# EAGLE board Mk4 Final Panel 8up 2x4 (EAGLE 9.0.1), part 19 of 23
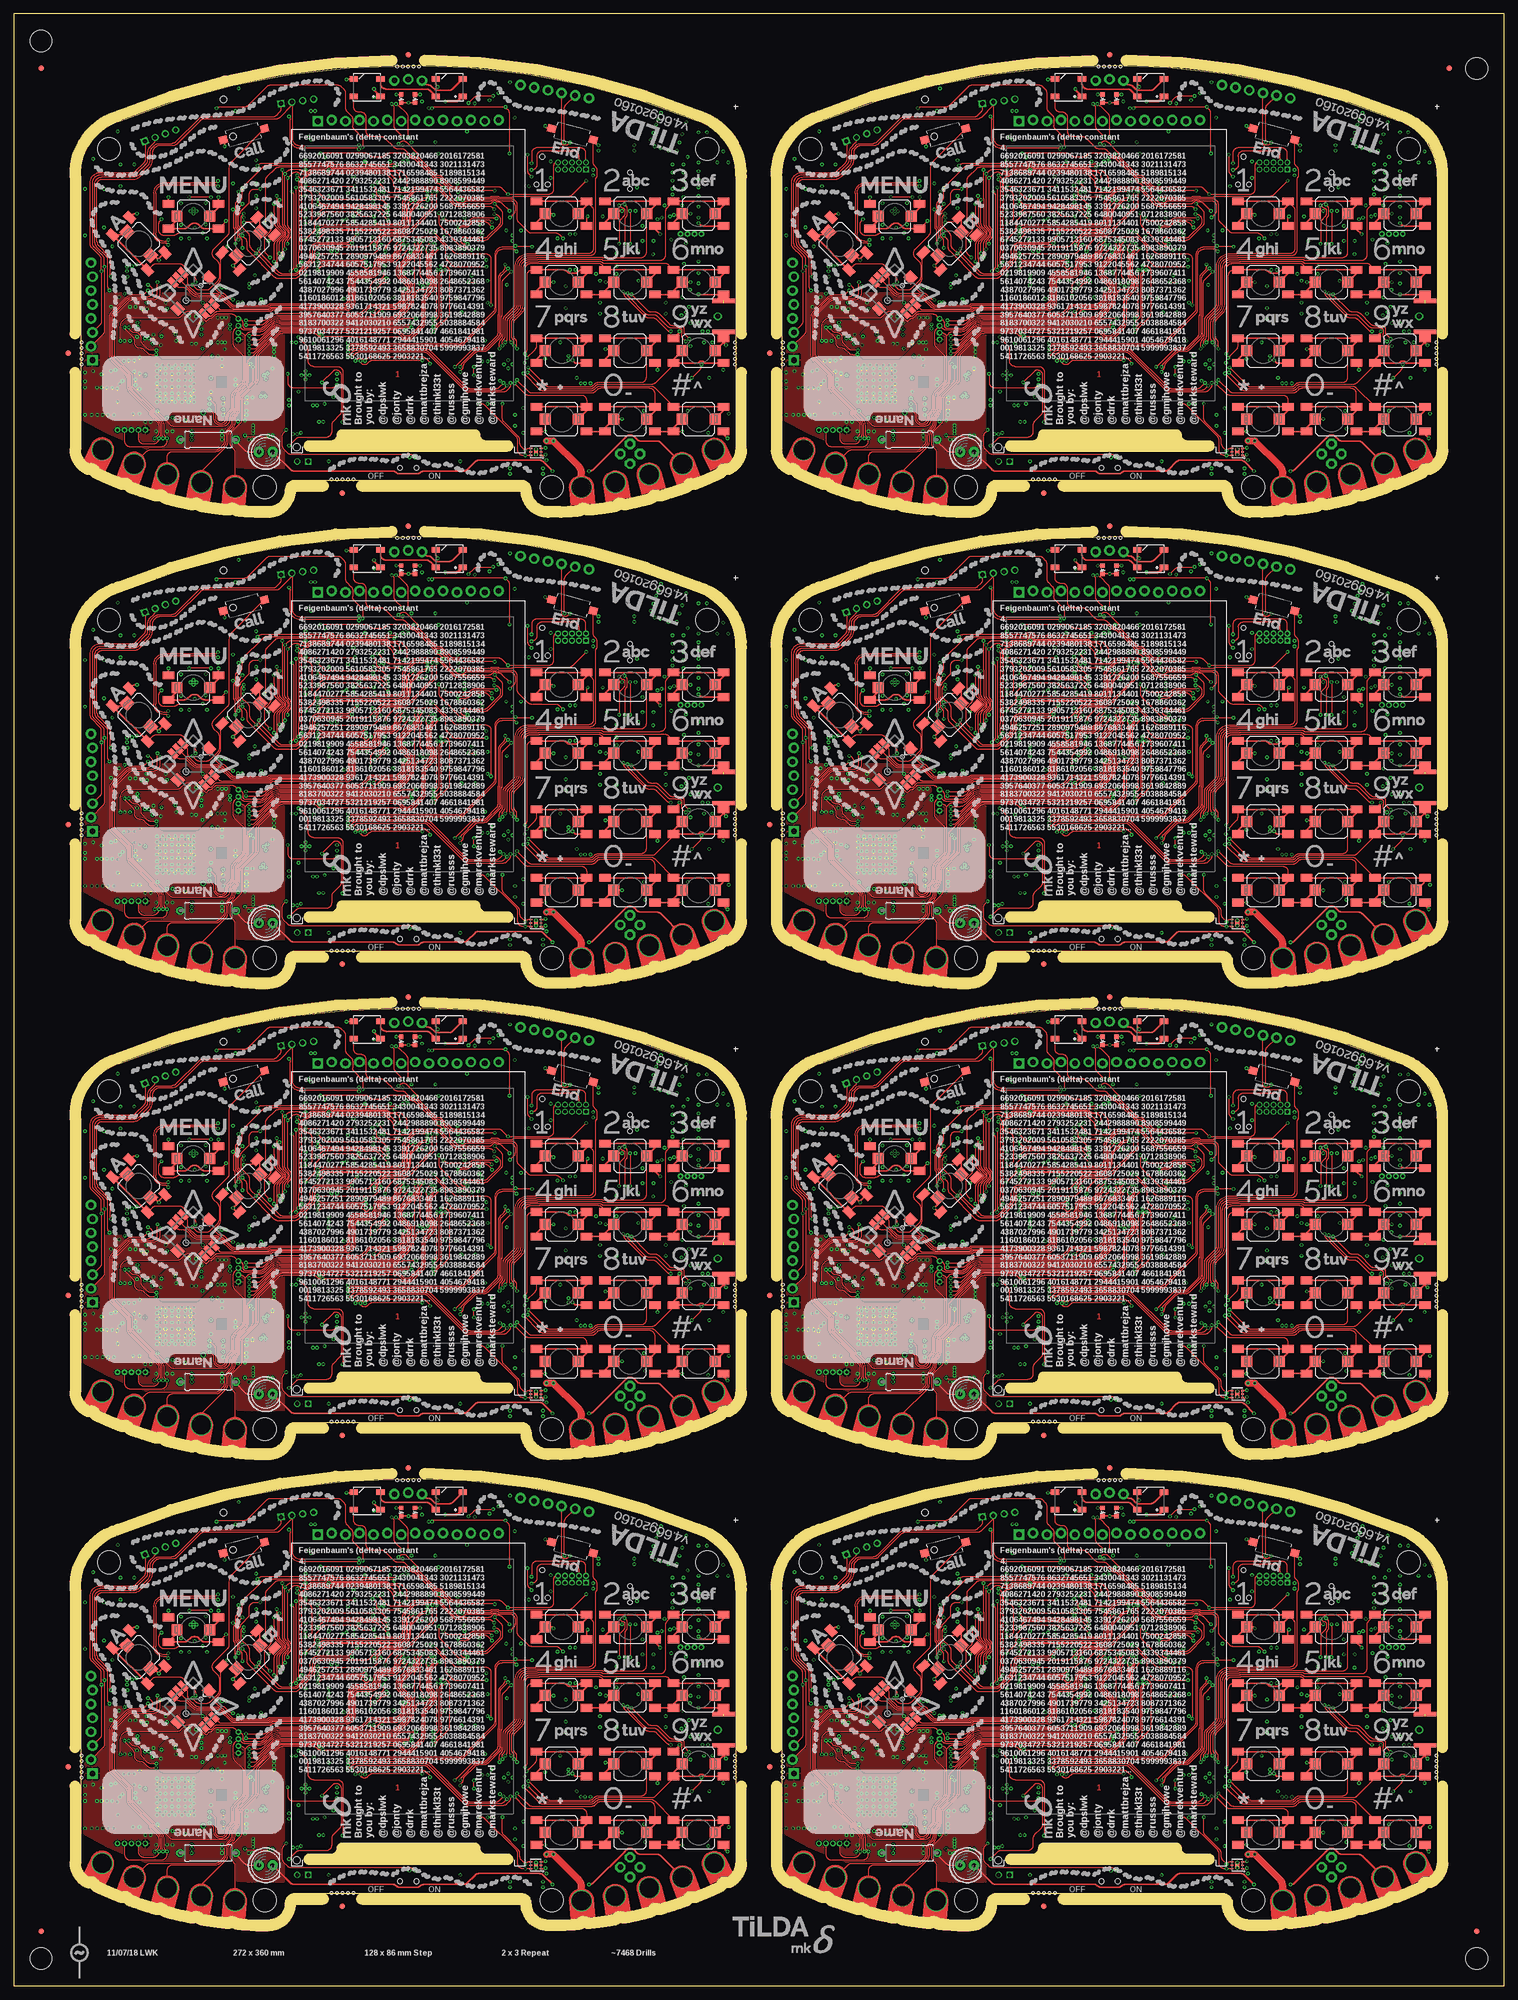
[diagram p0: board, top side]
## Tracks (layer width: path | path; a pad name or v marks a point on that pad's centre or on a via) (continued)
SIM_VDD4 (continued)
  Bottom 0.3: C482.2 arc-45 127.5,198.85 127.5,200.84 arc-45 127.79,201.54 128.4,202.15 arc-45 129.1,202.44 J44.C1 130.11,203.2 arc-45 130.4,203.9 130.46,203.96 arc45 130.75,204.66 130.75,205.25 arc90 129.75,206.25 126,206.25 arc-90 125,207.25 125,208.09 arc45 124.71,208.79 124.54,208.96 arc-45 124.25,209.66 124.25,210.75 arc90 123.25,211.75 122.91,211.75 arc-45 122.21,212.04 121.54,212.71 arc-45 121.25,213.41 121.25,214.5 120.85,214.9 IC79.5 120.58,216.59 arc45 120.28,217.29 119.37,218.21 arc45 118.66,218.5 115.91,218.5 arc-45 115.21,218.79 113.79,220.21 arc-45 113.5,220.91 113.5,222.94 arc45 113.28,223.47 112.47,224.28 arc-45 112.25,224.81 112.25,230.34 arc-45 112.54,231.04 113.31,231.81 arc45 113.6,232.51 IC75.18
SIM_VDD5
  Bottom 0.3: C590.2 arc-45 255.5,198.85 255.5,200.84 arc-45 255.79,201.54 256.4,202.15 arc-45 257.1,202.44 J54.C1 258.11,203.2 arc-45 258.4,203.9 258.46,203.96 arc45 258.75,204.66 258.75,205.25 arc90 257.75,206.25 254,206.25 arc-90 253,207.25 253,208.09 arc45 252.71,208.79 252.54,208.96 arc-45 252.25,209.66 252.25,210.75 arc90 251.25,211.75 250.91,211.75 arc-45 250.21,212.04 249.54,212.71 arc-45 249.25,213.41 249.25,214.5 248.85,214.9 IC97.5 248.57,216.59 arc45 248.28,217.29 247.37,218.21 arc45 246.66,218.5 243.91,218.5 arc-45 243.21,218.79 241.79,220.21 arc-45 241.5,220.91 241.5,222.94 arc45 241.28,223.47 240.47,224.28 arc-45 240.25,224.81 240.25,230.34 arc-45 240.54,231.04 241.31,231.81 arc45 241.6,232.51 IC93.18
SIM_VDD6
  Bottom 0.3: C698.2 arc-45 127.5,284.85 127.5,286.84 arc-45 127.79,287.54 128.4,288.15 arc-45 129.1,288.44 J64.C1 130.11,289.2 arc-45 130.4,289.9 130.46,289.96 arc45 130.75,290.66 130.75,291.25 arc90 129.75,292.25 126,292.25 arc-90 125,293.25 125,294.09 arc45 124.71,294.79 124.54,294.96 arc-45 124.25,295.66 124.25,296.75 arc90 123.25,297.75 122.91,297.75 arc-45 122.21,298.04 121.54,298.71 arc-45 121.25,299.41 121.25,300.5 120.85,300.9 IC115.5 120.58,302.59 arc45 120.28,303.29 119.37,304.21 arc45 118.66,304.5 115.91,304.5 arc-45 115.21,304.79 113.79,306.21 arc-45 113.5,306.91 113.5,308.94 arc45 113.28,309.47 112.47,310.28 arc-45 112.25,310.81 112.25,316.34 arc-45 112.54,317.04 113.31,317.81 arc45 113.6,318.51 IC111.18
SIM_VDD7
  Bottom 0.3: C806.2 arc-45 255.5,284.85 255.5,286.84 arc-45 255.79,287.54 256.4,288.15 arc-45 257.1,288.44 J74.C1 258.11,289.2 arc-45 258.4,289.9 258.46,289.96 arc45 258.75,290.66 258.75,291.25 arc90 257.75,292.25 254,292.25 arc-90 253,293.25 253,294.09 arc45 252.71,294.79 252.54,294.96 arc-45 252.25,295.66 252.25,296.75 arc90 251.25,297.75 250.91,297.75 arc-45 250.21,298.04 249.54,298.71 arc-45 249.25,299.41 249.25,300.5 248.85,300.9 IC133.5 248.57,302.59 arc45 248.28,303.29 247.37,304.21 arc45 246.66,304.5 243.91,304.5 arc-45 243.21,304.79 241.79,306.21 arc-45 241.5,306.91 241.5,308.94 arc45 241.28,309.47 240.47,310.28 arc-45 240.25,310.81 240.25,316.34 arc-45 240.54,317.04 241.31,317.81 arc45 241.6,318.51 IC129.18
SOP0  (via drill 0.3)
  Top 0.2: v26.05,40.55 25.11,40.55 arc-45 24.41,40.84 23.54,41.71 arc-45 23.25,42.41 23.25,42.75 arc90 22.25,43.75 22.16,43.75 arc-45 21.46,44.04 21.18,44.32 arc-45 v21,44.75
  Bottom 0.2: IC15.35 26.75,39.44 arc45 26.46,40.14 v26.05,40.55 | R64.1 22.25,46.65 21.44,45.84 arc45 21,44.78 v21,44.75
SOP1  (via drill 0.3)
  Top 0.2: v20.25,44.75 arc45 20.43,44.32 21.71,43.04 arc-45 22,42.34 22,42 arc90 23,41 23.06,41 arc-45 23.77,40.71 24.38,40.09 arc45 25.09,39.8 v26,39.8
  Bottom 0.2: IC15.34 26.25,39.34 arc45 26.1,39.7 v26,39.8 | R63.1 21.2,46.7 20.69,46.19 arc45 20.25,45.13 v20.25,44.75
SOP2
  Bottom 0.15: IC15.21 24.42,32.75 arc90 24.17,32.5 24.17,29.43 R62.1
SOP3
  Bottom 0.15: IC29.21 152.43,32.75 arc90 152.18,32.5 152.18,29.43 R140.1
SOP4  (via drill 0.3)
  Top 0.2: v148.25,44.75 arc45 148.43,44.32 149.71,43.04 arc-45 150,42.34 150,42 arc90 151,41 151.06,41 arc-45 151.76,40.71 152.38,40.09 arc45 153.09,39.8 v154,39.8
  Bottom 0.2: IC29.34 154.25,39.34 arc45 154.1,39.7 v154,39.8 | R141.1 149.2,46.7 148.69,46.19 arc45 148.25,45.13 v148.25,44.75
SOP5  (via drill 0.3)
  Top 0.2: v154.05,40.55 153.11,40.55 arc-45 152.41,40.84 151.54,41.71 arc-45 151.25,42.41 151.25,42.75 arc90 150.25,43.75 150.16,43.75 arc-45 149.46,44.04 149.18,44.32 arc-45 v149,44.75
  Bottom 0.2: IC29.35 154.75,39.44 arc45 154.46,40.14 v154.05,40.55 | R142.1 150.25,46.65 149.44,45.84 arc45 149,44.78 v149,44.75
SOP6
  Bottom 0.15: IC47.21 24.42,118.75 arc90 24.17,118.5 24.17,115.42 R218.1
SOP7  (via drill 0.3)
  Top 0.2: v20.25,130.75 arc45 20.43,130.32 21.71,129.04 arc-45 22,128.34 22,128 arc90 23,127 23.06,127 arc-45 23.77,126.71 24.38,126.09 arc45 25.09,125.8 v26,125.8
  Bottom 0.2: IC47.34 26.25,125.34 arc45 26.1,125.7 v26,125.8 | R219.1 21.2,132.7 20.69,132.19 arc45 20.25,131.13 v20.25,130.75
SOP8  (via drill 0.3)
  Top 0.2: v26.05,126.55 25.11,126.55 arc-45 24.41,126.84 23.54,127.71 arc-45 23.25,128.41 23.25,128.75 arc90 22.25,129.75 22.16,129.75 arc-45 21.46,130.04 21.18,130.32 arc-45 v21,130.75
  Bottom 0.2: IC47.35 26.75,125.44 arc45 26.46,126.14 v26.05,126.55 | R220.1 22.25,132.65 21.44,131.84 arc45 21,130.78 v21,130.75
SOP9
  Bottom 0.15: IC65.21 152.43,118.75 arc90 152.18,118.5 152.18,115.42 R296.1
SOP10  (via drill 0.3)
  Top 0.2: v148.25,130.75 arc45 148.43,130.32 149.71,129.04 arc-45 150,128.34 150,128 arc90 151,127 151.06,127 arc-45 151.76,126.71 152.38,126.09 arc45 153.09,125.8 v154,125.8
  Bottom 0.2: IC65.34 154.25,125.34 arc45 154.1,125.7 v154,125.8 | R297.1 149.2,132.7 148.69,132.19 arc45 148.25,131.13 v148.25,130.75
SOP11  (via drill 0.3)
  Top 0.2: v154.05,126.55 153.11,126.55 arc-45 152.41,126.84 151.54,127.71 arc-45 151.25,128.41 151.25,128.75 arc90 150.25,129.75 150.16,129.75 arc-45 149.46,130.04 149.18,130.32 arc-45 v149,130.75
  Bottom 0.2: IC65.35 154.75,125.44 arc45 154.46,126.14 v154.05,126.55 | R298.1 150.25,132.65 149.44,131.84 arc45 149,130.78 v149,130.75
SOP12
  Bottom 0.15: IC83.21 24.42,204.75 arc90 24.17,204.5 24.17,201.43 R374.1
SOP13  (via drill 0.3)
  Top 0.2: v20.25,216.75 arc45 20.43,216.32 21.71,215.04 arc-45 22,214.34 22,214 arc90 23,213 23.06,213 arc-45 23.77,212.71 24.38,212.09 arc45 25.09,211.8 v26,211.8
  Bottom 0.2: IC83.34 26.25,211.34 arc45 26.1,211.7 v26,211.8 | R375.1 21.2,218.7 20.69,218.19 arc45 20.25,217.13 v20.25,216.75
SOP14  (via drill 0.3)
  Top 0.2: v26.05,212.55 25.11,212.55 arc-45 24.41,212.84 23.54,213.71 arc-45 23.25,214.41 23.25,214.75 arc90 22.25,215.75 22.16,215.75 arc-45 21.46,216.04 21.18,216.32 arc-45 v21,216.75
  Bottom 0.2: IC83.35 26.75,211.44 arc45 26.46,212.14 v26.05,212.55 | R376.1 22.25,218.65 21.44,217.84 arc45 21,216.78 v21,216.75
SOP15
  Bottom 0.15: IC101.21 152.43,204.75 arc90 152.18,204.5 152.18,201.43 R452.1
SOP16  (via drill 0.3)
  Top 0.2: v148.25,216.75 arc45 148.43,216.32 149.71,215.04 arc-45 150,214.34 150,214 arc90 151,213 151.06,213 arc-45 151.76,212.71 152.38,212.09 arc45 153.09,211.8 v154,211.8
  Bottom 0.2: IC101.34 154.25,211.34 arc45 154.1,211.7 v154,211.8 | R453.1 149.2,218.7 148.69,218.19 arc45 148.25,217.13 v148.25,216.75
SOP17  (via drill 0.3)
  Top 0.2: v154.05,212.55 153.11,212.55 arc-45 152.41,212.84 151.54,213.71 arc-45 151.25,214.41 151.25,214.75 arc90 150.25,215.75 150.16,215.75 arc-45 149.46,216.04 149.18,216.32 arc-45 v149,216.75
  Bottom 0.2: IC101.35 154.75,211.44 arc45 154.46,212.14 v154.05,212.55 | R454.1 150.25,218.65 149.44,217.84 arc45 149,216.78 v149,216.75
SOP18
  Bottom 0.15: IC119.21 24.42,290.75 arc90 24.17,290.5 24.17,287.43 R530.1
SOP19  (via drill 0.3)
  Top 0.2: v20.25,302.75 arc45 20.43,302.32 21.71,301.04 arc-45 22,300.34 22,300 arc90 23,299 23.06,299 arc-45 23.77,298.71 24.38,298.09 arc45 25.09,297.8 v26,297.8
  Bottom 0.2: IC119.34 26.25,297.34 arc45 26.1,297.7 v26,297.8 | R531.1 21.2,304.7 20.69,304.19 arc45 20.25,303.13 v20.25,302.75
SOP20  (via drill 0.3)
  Top 0.2: v26.05,298.55 25.11,298.55 arc-45 24.41,298.84 23.54,299.71 arc-45 23.25,300.41 23.25,300.75 arc90 22.25,301.75 22.16,301.75 arc-45 21.46,302.04 21.18,302.32 arc-45 v21,302.75
  Bottom 0.2: IC119.35 26.75,297.44 arc45 26.46,298.14 v26.05,298.55 | R532.1 22.25,304.65 21.44,303.84 arc45 21,302.78 v21,302.75
SOP21
  Bottom 0.15: IC137.21 152.43,290.75 arc90 152.18,290.5 152.18,287.43 R608.1
SOP22  (via drill 0.3)
  Top 0.2: v148.25,302.75 arc45 148.43,302.32 149.71,301.04 arc-45 150,300.34 150,300 arc90 151,299 151.06,299 arc-45 151.76,298.71 152.38,298.09 arc45 153.09,297.8 v154,297.8
  Bottom 0.2: IC137.34 154.25,297.34 arc45 154.1,297.7 v154,297.8 | R609.1 149.2,304.7 148.69,304.19 arc45 148.25,303.13 v148.25,302.75
SOP23  (via drill 0.3)
  Top 0.2: v154.05,298.55 153.11,298.55 arc-45 152.41,298.84 151.54,299.71 arc-45 151.25,300.41 151.25,300.75 arc90 150.25,301.75 150.16,301.75 arc-45 149.46,302.04 149.18,302.32 arc-45 v149,302.75
  Bottom 0.2: IC137.35 154.75,297.44 arc45 154.46,298.14 v154.05,298.55 | R610.1 150.25,304.65 149.44,303.84 arc45 149,302.78 v149,302.75
SPK_AMP_N
  Bottom 0.2: IC13.8 31.83,63.17 arc-90 30.83,62.17 28.34,62.17 arc45 27.63,61.88 U5.-
SPK_AMP_N1
  Bottom 0.2: IC28.8 159.82,63.17 arc-90 158.82,62.17 156.34,62.17 arc45 155.63,61.88 U6.-
SPK_AMP_N2
  Bottom 0.2: IC46.8 31.83,149.18 arc-90 30.83,148.18 28.34,148.18 arc45 27.63,147.88 U9.-
SPK_AMP_N3
  Bottom 0.2: IC64.8 159.82,149.18 arc-90 158.82,148.18 156.34,148.18 arc45 155.63,147.88 U12.-
SPK_AMP_N4
  Bottom 0.2: IC82.8 31.83,235.18 arc-90 30.83,234.18 28.34,234.18 arc45 27.63,233.88 U15.-
SPK_AMP_N5
  Bottom 0.2: IC100.8 159.82,235.18 arc-90 158.82,234.18 156.34,234.18 arc45 155.63,233.88 U18.-
SPK_AMP_N6
  Bottom 0.2: IC118.8 31.83,321.18 arc-90 30.83,320.18 28.34,320.18 arc45 27.63,319.88 U21.-
SPK_AMP_N7
  Bottom 0.2: IC136.8 159.82,321.18 arc-90 158.82,320.18 156.34,320.18 arc45 155.63,319.88 U24.-
SPK_AMP_P  (via drill 0.3)
  Top 0.2: v34.5,62 30.29,62 arc45 29.79,61.79 arc-45 29.09,61.5 27.5,61.5 arc-90 26.5,62.5 26.5,63.59 arc-45 26.79,64.29 v27,64.5
  Bottom 0.2: IC13.5 33.77,63.14 arc45 34.07,62.43 v34.5,62 | U5.+ 25.25,66.66 arc45 25.54,65.96 v27,64.5
SPK_AMP_P1  (via drill 0.3)
  Top 0.2: v162.5,62 158.29,62 arc45 157.79,61.79 arc-45 157.09,61.5 155.5,61.5 arc-90 154.5,62.5 154.5,63.59 arc-45 154.79,64.29 v155,64.5
  Bottom 0.2: IC28.5 161.78,63.14 arc45 162.07,62.43 v162.5,62 | U6.+ 153.25,66.66 arc45 153.54,65.96 v155,64.5
SPK_AMP_P2  (via drill 0.3)
  Top 0.2: v34.5,148 30.29,148 arc45 29.79,147.79 arc-45 29.09,147.5 27.5,147.5 arc-90 26.5,148.5 26.5,149.59 arc-45 26.79,150.29 v27,150.5
  Bottom 0.2: IC46.5 33.77,149.14 arc45 34.07,148.43 v34.5,148 | U9.+ 25.25,152.66 arc45 25.54,151.96 v27,150.5
SPK_AMP_P3  (via drill 0.3)
  Top 0.2: v162.5,148 158.29,148 arc45 157.79,147.79 arc-45 157.09,147.5 155.5,147.5 arc-90 154.5,148.5 154.5,149.59 arc-45 154.79,150.29 v155,150.5
  Bottom 0.2: IC64.5 161.78,149.14 arc45 162.07,148.43 v162.5,148 | U12.+ 153.25,152.66 arc45 153.54,151.96 v155,150.5
SPK_AMP_P4  (via drill 0.3)
  Top 0.2: v34.5,234 30.29,234 arc45 29.79,233.79 arc-45 29.09,233.5 27.5,233.5 arc-90 26.5,234.5 26.5,235.59 arc-45 26.79,236.29 v27,236.5
  Bottom 0.2: IC82.5 33.77,235.14 arc45 34.07,234.43 v34.5,234 | U15.+ 25.25,238.66 arc45 25.54,237.96 v27,236.5
SPK_AMP_P5  (via drill 0.3)
  Top 0.2: v162.5,234 158.29,234 arc45 157.79,233.79 arc-45 157.09,233.5 155.5,233.5 arc-90 154.5,234.5 154.5,235.59 arc-45 154.79,236.29 v155,236.5
  Bottom 0.2: IC100.5 161.78,235.14 arc45 162.07,234.43 v162.5,234 | U18.+ 153.25,238.66 arc45 153.54,237.96 v155,236.5
SPK_AMP_P6  (via drill 0.3)
  Top 0.2: v34.5,320 30.29,320 arc45 29.79,319.79 arc-45 29.09,319.5 27.5,319.5 arc-90 26.5,320.5 26.5,321.59 arc-45 26.79,322.29 v27,322.5
  Bottom 0.2: IC118.5 33.77,321.14 arc45 34.07,320.43 v34.5,320 | U21.+ 25.25,324.66 arc45 25.54,323.96 v27,322.5
SPK_AMP_P7  (via drill 0.3)
  Top 0.2: v162.5,320 158.29,320 arc45 157.79,319.79 arc-45 157.09,319.5 155.5,319.5 arc-90 154.5,320.5 154.5,321.59 arc-45 154.79,322.29 v155,322.5
  Bottom 0.2: IC136.5 161.78,321.14 arc45 162.07,320.43 v162.5,320 | U24.+ 153.25,324.66 arc45 153.54,323.96 v155,322.5
SPK_N  (via drill 0.3)
  Top 0.2: v61,41.9 61.23,41.67 81.21,41.67 arc45 81.92,41.97 87.46,47.51 arc45 87.75,48.21 87.75,57.92 arc-90 89.17,59.34 91.11,59.34 arc45 91.46,59.49 v91.59,59.62 91.76,59.45 v94.6,59.45 | v37.3,70.5 37.27,70.53 arc45 36.56,70.83 27.5,70.83 arc90 25.92,69.25 25.92,61.95 arc90 27.45,60.42 27.72,60.42 arc45 28.07,60.57 v28.2,60.7
  Bottom 0.2: IC5.12 104.6,59 C68.2 | C65.1 C68.2 | C67.1 C64.2 | C64.2 C68.2 | C64.2 101.17,58.67 96.46,58.67 arc-45 96.39,58.7 96.3,58.8 arc45 96.23,58.83 95.22,58.83 arc-90 v94.6,59.45 | v61,41.9 60.77,41.67 60.29,41.67 arc-45 59.58,41.97 57.27,44.28 arc45 56.8,44.48 56.69,44.48 arc-45 55.98,44.77 52.66,48.08 arc45 51.96,48.38 45.39,48.38 arc-45 44.68,48.67 41.87,51.48 arc-45 41.58,52.19 41.58,52.7 arc90 39.9,54.38 37.29,54.38 arc-45 36.58,54.67 34.37,56.88 arc45 33.66,57.17 30.4,57.17 arc-90 29.67,57.9 29.67,59.6 arc90 28.85,60.42 28.68,60.42 arc-45 28.33,60.57 v28.2,60.7 | 36.45,70.5 C82.2 36.5,70.5 v37.3,70.5 | v91.59,59.62 92.1,59.11 92.1,59.05 92.66,58.5 R43.1
SPK_N1  (via drill 0.3)
  Top 0.2: v189,41.9 189.22,41.67 209.21,41.67 arc45 209.92,41.97 215.46,47.51 arc45 215.75,48.21 215.75,57.92 arc-90 217.17,59.34 219.11,59.34 arc45 219.46,59.49 v219.59,59.62 219.76,59.45 v222.6,59.45 | v165.3,70.5 165.27,70.53 arc45 164.56,70.83 155.5,70.83 arc90 153.93,69.25 153.93,61.95 arc90 155.45,60.42 155.72,60.42 arc45 156.07,60.57 v156.2,60.7
  Bottom 0.2: IC21.12 232.6,59 C169.2 | C166.1 C169.2 | C168.1 C165.2 | C165.2 C169.2 | C165.2 229.18,58.67 224.46,58.67 arc-45 224.39,58.7 224.3,58.8 arc45 224.23,58.83 223.22,58.83 arc-90 v222.6,59.45 | v189,41.9 188.78,41.67 188.29,41.67 arc-45 187.58,41.97 185.26,44.28 arc45 184.8,44.48 184.69,44.48 arc-45 183.98,44.77 180.67,48.08 arc45 179.96,48.38 173.39,48.38 arc-45 172.68,48.67 169.87,51.48 arc-45 169.57,52.19 169.57,52.7 arc90 167.9,54.38 165.29,54.38 arc-45 164.58,54.67 162.37,56.88 arc45 161.66,57.17 158.4,57.17 arc-90 157.68,57.9 157.68,59.6 arc90 156.85,60.42 156.68,60.42 arc-45 156.33,60.57 v156.2,60.7 | 164.45,70.5 C183.2 164.5,70.5 v165.3,70.5 | v219.59,59.62 220.1,59.11 220.1,59.05 220.66,58.5 R125.1
SPK_N2  (via drill 0.3)
  Top 0.2: v61,127.9 61.23,127.67 81.21,127.67 arc45 81.92,127.97 87.46,133.5 arc45 87.75,134.21 87.75,143.93 arc-90 89.17,145.34 91.11,145.34 arc45 91.46,145.49 v91.59,145.62 91.76,145.45 v94.6,145.45 | v37.3,156.5 37.27,156.53 arc45 36.56,156.82 27.5,156.82 arc90 25.92,155.25 25.92,147.95 arc90 27.45,146.43 27.72,146.43 arc45 28.07,146.57 v28.2,146.7
  Bottom 0.2: IC39.12 104.6,145 C277.2 | C274.1 C277.2 | C276.1 C273.2 | C273.2 C277.2 | C273.2 101.17,144.68 96.46,144.68 arc-45 96.39,144.7 96.3,144.8 arc45 96.23,144.82 95.22,144.82 arc-90 v94.6,145.45 | v61,127.9 60.77,127.67 60.29,127.67 arc-45 59.58,127.97 57.27,130.28 arc45 56.8,130.47 56.69,130.47 arc-45 55.98,130.77 52.66,134.08 arc45 51.96,134.38 45.39,134.38 arc-45 44.68,134.67 41.87,137.48 arc-45 41.58,138.19 41.58,138.7 arc90 39.9,140.38 37.29,140.38 arc-45 36.58,140.67 34.37,142.88 arc45 33.66,143.18 30.4,143.18 arc-90 29.67,143.9 29.67,145.6 arc90 28.85,146.43 28.68,146.43 arc-45 28.33,146.57 v28.2,146.7 | 36.45,156.5 C291.2 36.5,156.5 v37.3,156.5 | v91.59,145.62 92.1,145.11 92.1,145.06 92.66,144.5 R203.1
SPK_N3  (via drill 0.3)
  Top 0.2: v189,127.9 189.22,127.67 209.21,127.67 arc45 209.92,127.97 215.46,133.5 arc45 215.75,134.21 215.75,143.93 arc-90 217.17,145.34 219.11,145.34 arc45 219.46,145.49 v219.59,145.62 219.76,145.45 v222.6,145.45 | v165.3,156.5 165.27,156.53 arc45 164.56,156.82 155.5,156.82 arc90 153.93,155.25 153.93,147.95 arc90 155.45,146.43 155.72,146.43 arc45 156.07,146.57 v156.2,146.7
  Bottom 0.2: IC57.12 232.6,145 C385.2 | C382.1 C385.2 | C384.1 C381.2 | C381.2 C385.2 | C381.2 229.18,144.68 224.46,144.68 arc-45 224.39,144.7 224.3,144.8 arc45 224.23,144.82 223.22,144.82 arc-90 v222.6,145.45 | v189,127.9 188.78,127.67 188.29,127.67 arc-45 187.58,127.97 185.26,130.28 arc45 184.8,130.47 184.69,130.47 arc-45 183.98,130.77 180.67,134.08 arc45 179.96,134.38 173.39,134.38 arc-45 172.68,134.67 169.87,137.48 arc-45 169.57,138.19 169.57,138.7 arc90 167.9,140.38 165.29,140.38 arc-45 164.58,140.67 162.37,142.88 arc45 161.66,143.18 158.4,143.18 arc-90 157.68,143.9 157.68,145.6 arc90 156.85,146.43 156.68,146.43 arc-45 156.33,146.57 v156.2,146.7 | 164.45,156.5 C399.2 164.5,156.5 v165.3,156.5 | v219.59,145.62 220.1,145.11 220.1,145.06 220.66,144.5 R281.1
SPK_N4  (via drill 0.3)
  Top 0.2: v61,213.9 61.23,213.68 81.21,213.68 arc45 81.92,213.97 87.46,219.5 arc45 87.75,220.21 87.75,229.93 arc-90 89.17,231.34 91.11,231.34 arc45 91.46,231.49 v91.59,231.62 91.76,231.45 v94.6,231.45 | v37.3,242.5 37.27,242.53 arc45 36.56,242.82 27.5,242.82 arc90 25.92,241.25 25.92,233.95 arc90 27.45,232.43 27.72,232.43 arc45 28.07,232.57 v28.2,232.7
  Bottom 0.2: IC75.12 104.6,231 C493.2 | C490.1 C493.2 | C492.1 C489.2 | C489.2 C493.2 | C489.2 101.17,230.68 96.46,230.68 arc-45 96.39,230.7 96.3,230.8 arc45 96.23,230.82 95.22,230.82 arc-90 v94.6,231.45 | v61,213.9 60.77,213.68 60.29,213.68 arc-45 59.58,213.97 57.27,216.28 arc45 56.8,216.47 56.69,216.47 arc-45 55.98,216.77 52.66,220.08 arc45 51.96,220.38 45.39,220.38 arc-45 44.68,220.67 41.87,223.48 arc-45 41.58,224.19 41.58,224.7 arc90 39.9,226.38 37.29,226.38 arc-45 36.58,226.67 34.37,228.88 arc45 33.66,229.18 30.4,229.18 arc-90 29.67,229.9 29.67,231.6 arc90 28.85,232.43 28.68,232.43 arc-45 28.33,232.57 v28.2,232.7 | 36.45,242.5 C507.2 36.5,242.5 v37.3,242.5 | v91.59,231.62 92.1,231.11 92.1,231.06 92.66,230.5 R359.1
SPK_N5  (via drill 0.3)
  Top 0.2: v189,213.9 189.22,213.68 209.21,213.68 arc45 209.92,213.97 215.46,219.5 arc45 215.75,220.21 215.75,229.93 arc-90 217.17,231.34 219.11,231.34 arc45 219.46,231.49 v219.59,231.62 219.76,231.45 v222.6,231.45 | v165.3,242.5 165.27,242.53 arc45 164.56,242.82 155.5,242.82 arc90 153.93,241.25 153.93,233.95 arc90 155.45,232.43 155.72,232.43 arc45 156.07,232.57 v156.2,232.7
  Bottom 0.2: IC93.12 232.6,231 C601.2 | C598.1 C601.2 | C600.1 C597.2 | C597.2 C601.2 | C597.2 229.18,230.68 224.46,230.68 arc-45 224.39,230.7 224.3,230.8 arc45 224.23,230.82 223.22,230.82 arc-90 v222.6,231.45 | v189,213.9 188.78,213.68 188.29,213.68 arc-45 187.58,213.97 185.26,216.28 arc45 184.8,216.47 184.69,216.47 arc-45 183.98,216.77 180.67,220.08 arc45 179.96,220.38 173.39,220.38 arc-45 172.68,220.67 169.87,223.48 arc-45 169.57,224.19 169.57,224.7 arc90 167.9,226.38 165.29,226.38 arc-45 164.58,226.67 162.37,228.88 arc45 161.66,229.18 158.4,229.18 arc-90 157.68,229.9 157.68,231.6 arc90 156.85,232.43 156.68,232.43 arc-45 156.33,232.57 v156.2,232.7 | 164.45,242.5 C615.2 164.5,242.5 v165.3,242.5 | v219.59,231.62 220.1,231.11 220.1,231.06 220.66,230.5 R437.1
SPK_N6  (via drill 0.3)
  Top 0.2: v61,299.9 61.23,299.68 81.21,299.68 arc45 81.92,299.97 87.46,305.5 arc45 87.75,306.21 87.75,315.93 arc-90 89.17,317.34 91.11,317.34 arc45 91.46,317.49 v91.59,317.62 91.76,317.45 v94.6,317.45 | v37.3,328.5 37.27,328.53 arc45 36.56,328.82 27.5,328.82 arc90 25.92,327.25 25.92,319.95 arc90 27.45,318.43 27.72,318.43 arc45 28.07,318.57 v28.2,318.7
  Bottom 0.2: IC111.12 104.6,317 C709.2 | C706.1 C709.2 | C708.1 C705.2 | C705.2 C709.2 | C705.2 101.17,316.68 96.46,316.68 arc-45 96.39,316.7 96.3,316.8 arc45 96.23,316.82 95.22,316.82 arc-90 v94.6,317.45 | v61,299.9 60.77,299.68 60.29,299.68 arc-45 59.58,299.97 57.27,302.28 arc45 56.8,302.48 56.69,302.48 arc-45 55.98,302.77 52.66,306.08 arc45 51.96,306.38 45.39,306.38 arc-45 44.68,306.67 41.87,309.48 arc-45 41.58,310.19 41.58,310.7 arc90 39.9,312.38 37.29,312.38 arc-45 36.58,312.67 34.37,314.88 arc45 33.66,315.18 30.4,315.18 arc-90 29.67,315.9 29.67,317.6 arc90 28.85,318.43 28.68,318.43 arc-45 28.33,318.57 v28.2,318.7 | 36.45,328.5 C723.2 36.5,328.5 v37.3,328.5 | v91.59,317.62 92.1,317.11 92.1,317.06 92.66,316.5 R515.1
SPK_N7  (via drill 0.3)
  Top 0.2: v189,299.9 189.22,299.68 209.21,299.68 arc45 209.92,299.97 215.46,305.5 arc45 215.75,306.21 215.75,315.93 arc-90 217.17,317.34 219.11,317.34 arc45 219.46,317.49 v219.59,317.62 219.76,317.45 v222.6,317.45 | v165.3,328.5 165.27,328.53 arc45 164.56,328.82 155.5,328.82 arc90 153.93,327.25 153.93,319.95 arc90 155.45,318.43 155.72,318.43 arc45 156.07,318.57 v156.2,318.7
  Bottom 0.2: IC129.12 232.6,317 C817.2 | C814.1 C817.2 | C816.1 C813.2 | C813.2 C817.2 | C813.2 229.18,316.68 224.46,316.68 arc-45 224.39,316.7 224.3,316.8 arc45 224.23,316.82 223.22,316.82 arc-90 v222.6,317.45 | v189,299.9 188.78,299.68 188.29,299.68 arc-45 187.58,299.97 185.26,302.28 arc45 184.8,302.48 184.69,302.48 arc-45 183.98,302.77 180.67,306.08 arc45 179.96,306.38 173.39,306.38 arc-45 172.68,306.67 169.87,309.48 arc-45 169.57,310.19 169.57,310.7 arc90 167.9,312.38 165.29,312.38 arc-45 164.58,312.67 162.37,314.88 arc45 161.66,315.18 158.4,315.18 arc-90 157.68,315.9 157.68,317.6 arc90 156.85,318.43 156.68,318.43 arc-45 156.33,318.57 v156.2,318.7 | 164.45,328.5 C831.2 164.5,328.5 v165.3,328.5 | v219.59,317.62 220.1,317.11 220.1,317.06 220.66,316.5 R593.1
SPK_P  (via drill 0.3)
  Top 0.2: v61,41.1 61.23,41.33 81.36,41.33 arc45 82.06,41.62 87.81,47.36 arc45 88.1,48.07 88.1,57.92 arc-90 89.17,58.99 91.16,58.99 arc-45 91.51,58.84 v91.75,58.61 | v37.3,71.45 arc-45 36.64,71.17 27.5,71.17 arc90 25.58,69.25 25.58,61.95 arc90 27.45,60.08 27.72,60.08 arc-45 28.07,59.93 v28.2,59.8
  Bottom 0.2: IC5.11 102.55,57.95 C68.1 | C68.1 C64.1 | C69.1 C68.1 | C66.1 C64.1 | C64.1 101.17,58.33 96.32,58.33 arc-45 96.25,58.35 96.16,58.45 arc45 96.09,58.48 93.78,58.48 R45.1 93.11,57.86 arc-90 92.4,57.86 91.75,58.51 v91.75,58.61 | v61,41.1 60.77,41.33 60.14,41.33 arc-45 59.44,41.62 57.02,44.03 arc45 56.8,44.12 56.54,44.12 arc-45 55.84,44.42 52.52,47.73 arc45 51.81,48.02 45.24,48.02 arc-45 44.53,48.32 41.52,51.34 arc-45 41.23,52.04 41.23,52.7 arc90 39.9,54.02 37.14,54.02 arc-45 36.44,54.32 34.22,56.53 arc45 33.51,56.83 30.4,56.83 arc-90 29.33,57.9 29.33,59.6 arc90 28.85,60.08 28.68,60.08 arc45 28.33,59.93 v28.2,59.8 | C83.2 v37.3,71.45
SPK_P1  (via drill 0.3)
  Top 0.2: v189,41.1 189.22,41.33 209.36,41.33 arc45 210.06,41.62 215.81,47.36 arc45 216.1,48.07 216.1,57.92 arc-90 217.17,58.99 219.16,58.99 arc-45 219.51,58.84 v219.75,58.61 | v165.3,71.45 arc-45 164.64,71.17 155.5,71.17 arc90 153.57,69.25 153.57,61.95 arc90 155.45,60.08 155.72,60.08 arc-45 156.07,59.93 v156.2,59.8
  Bottom 0.2: IC21.11 230.55,57.95 C169.1 | C169.1 C165.1 | C170.1 C169.1 | C167.1 C165.1 | C165.1 229.18,58.33 224.32,58.33 arc-45 224.25,58.35 224.16,58.45 arc45 224.09,58.48 221.78,58.48 R126.1 221.11,57.86 arc-90 220.4,57.86 219.75,58.51 v219.75,58.61 | v189,41.1 188.78,41.33 188.14,41.33 arc-45 187.44,41.62 185.02,44.03 arc45 184.8,44.12 184.54,44.12 arc-45 183.83,44.42 180.52,47.73 arc45 179.81,48.02 173.24,48.02 arc-45 172.53,48.32 169.52,51.34 arc-45 169.22,52.04 169.22,52.7 arc90 167.9,54.02 165.14,54.02 arc-45 164.44,54.32 162.22,56.53 arc45 161.51,56.83 158.4,56.83 arc-90 157.32,57.9 157.32,59.6 arc90 156.85,60.08 156.68,60.08 arc45 156.33,59.93 v156.2,59.8 | C184.2 v165.3,71.45
SPK_P2  (via drill 0.3)
  Top 0.2: v61,127.1 61.23,127.33 81.36,127.33 arc45 82.06,127.62 87.81,133.36 arc45 88.1,134.07 88.1,143.93 arc-90 89.17,144.99 91.16,144.99 arc-45 91.51,144.84 v91.75,144.61 | v37.3,157.45 arc-45 36.64,157.18 27.5,157.18 arc90 25.58,155.25 25.58,147.95 arc90 27.45,146.07 27.72,146.07 arc-45 28.07,145.93 v28.2,145.8
  Bottom 0.2: IC39.11 102.55,143.95 C277.1 | C277.1 C273.1 | C278.1 C277.1 | C275.1 C273.1 | C273.1 101.17,144.32 96.32,144.32 arc-45 96.25,144.35 96.16,144.45 arc45 96.09,144.47 93.78,144.47 R204.1 93.11,143.86 arc-90 92.4,143.86 91.75,144.51 v91.75,144.61 | v61,127.1 60.77,127.33 60.14,127.33 arc-45 59.44,127.62 57.02,130.03 arc45 56.8,130.12 56.54,130.12 arc-45 55.84,130.42 52.52,133.73 arc45 51.81,134.03 45.24,134.03 arc-45 44.53,134.32 41.52,137.33 arc-45 41.23,138.04 41.23,138.7 arc90 39.9,140.03 37.14,140.03 arc-45 36.44,140.32 34.22,142.53 arc45 33.51,142.82 30.4,142.82 arc-90 29.33,143.9 29.33,145.6 arc90 28.85,146.07 28.68,146.07 arc45 28.33,145.93 v28.2,145.8 | C292.2 v37.3,157.45
SPK_P3  (via drill 0.3)
  Top 0.2: v189,127.1 189.22,127.33 209.36,127.33 arc45 210.06,127.62 215.81,133.36 arc45 216.1,134.07 216.1,143.93 arc-90 217.17,144.99 219.16,144.99 arc-45 219.51,144.84 v219.75,144.61 | v165.3,157.45 arc-45 164.64,157.18 155.5,157.18 arc90 153.57,155.25 153.57,147.95 arc90 155.45,146.07 155.72,146.07 arc-45 156.07,145.93 v156.2,145.8
  Bottom 0.2: IC57.11 230.55,143.95 C385.1 | C385.1 C381.1 | C386.1 C385.1 | C383.1 C381.1 | C381.1 229.18,144.32 224.32,144.32 arc-45 224.25,144.35 224.16,144.45 arc45 224.09,144.47 221.78,144.47 R282.1 221.11,143.86 arc-90 220.4,143.86 219.75,144.51 v219.75,144.61 | v189,127.1 188.78,127.33 188.14,127.33 arc-45 187.44,127.62 185.02,130.03 arc45 184.8,130.12 184.54,130.12 arc-45 183.83,130.42 180.52,133.73 arc45 179.81,134.03 173.24,134.03 arc-45 172.53,134.32 169.52,137.33 arc-45 169.22,138.04 169.22,138.7 arc90 167.9,140.03 165.14,140.03 arc-45 164.44,140.32 162.22,142.53 arc45 161.51,142.82 158.4,142.82 arc-90 157.32,143.9 157.32,145.6 arc90 156.85,146.07 156.68,146.07 arc45 156.33,145.93 v156.2,145.8 | C400.2 v165.3,157.45